# KiCad board LightBlue.kicad_pcb
title: Light Blue PCB; date: 2021-04-22; rev: 0.2; company: Nabu Casa; note: www.nabucasa.com; note: Light Blue
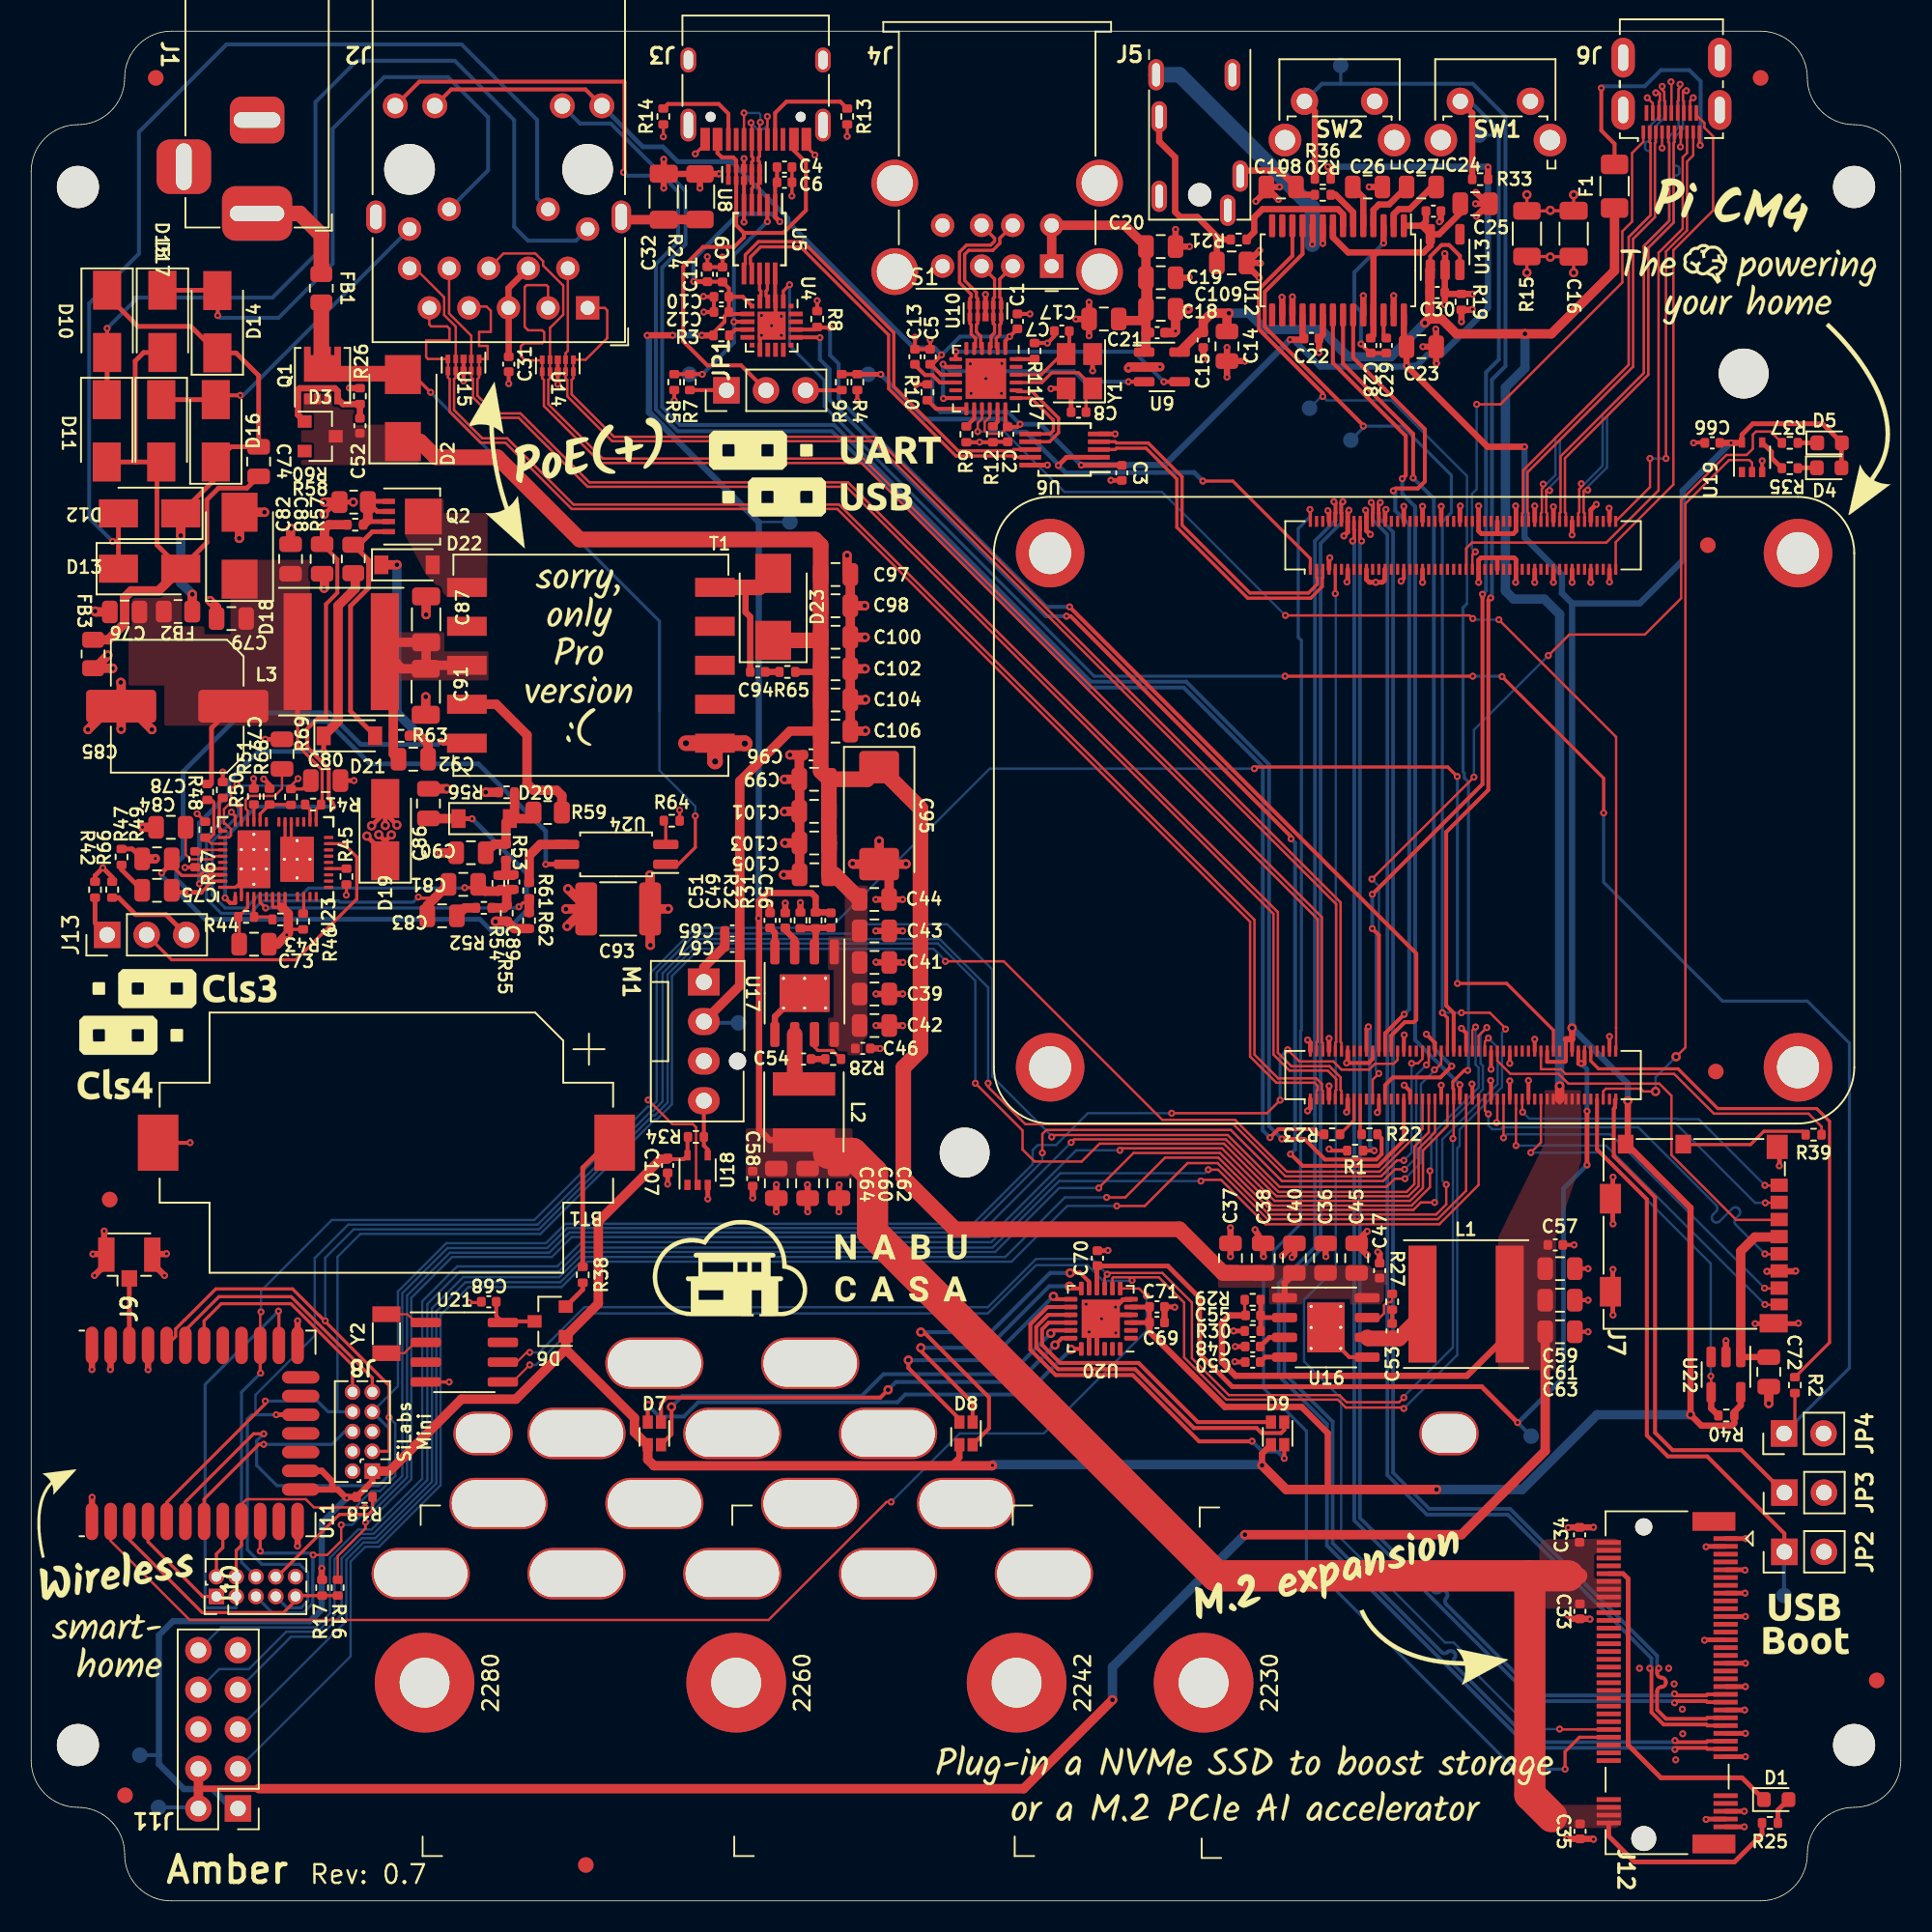
[diagram p0: board, top side]
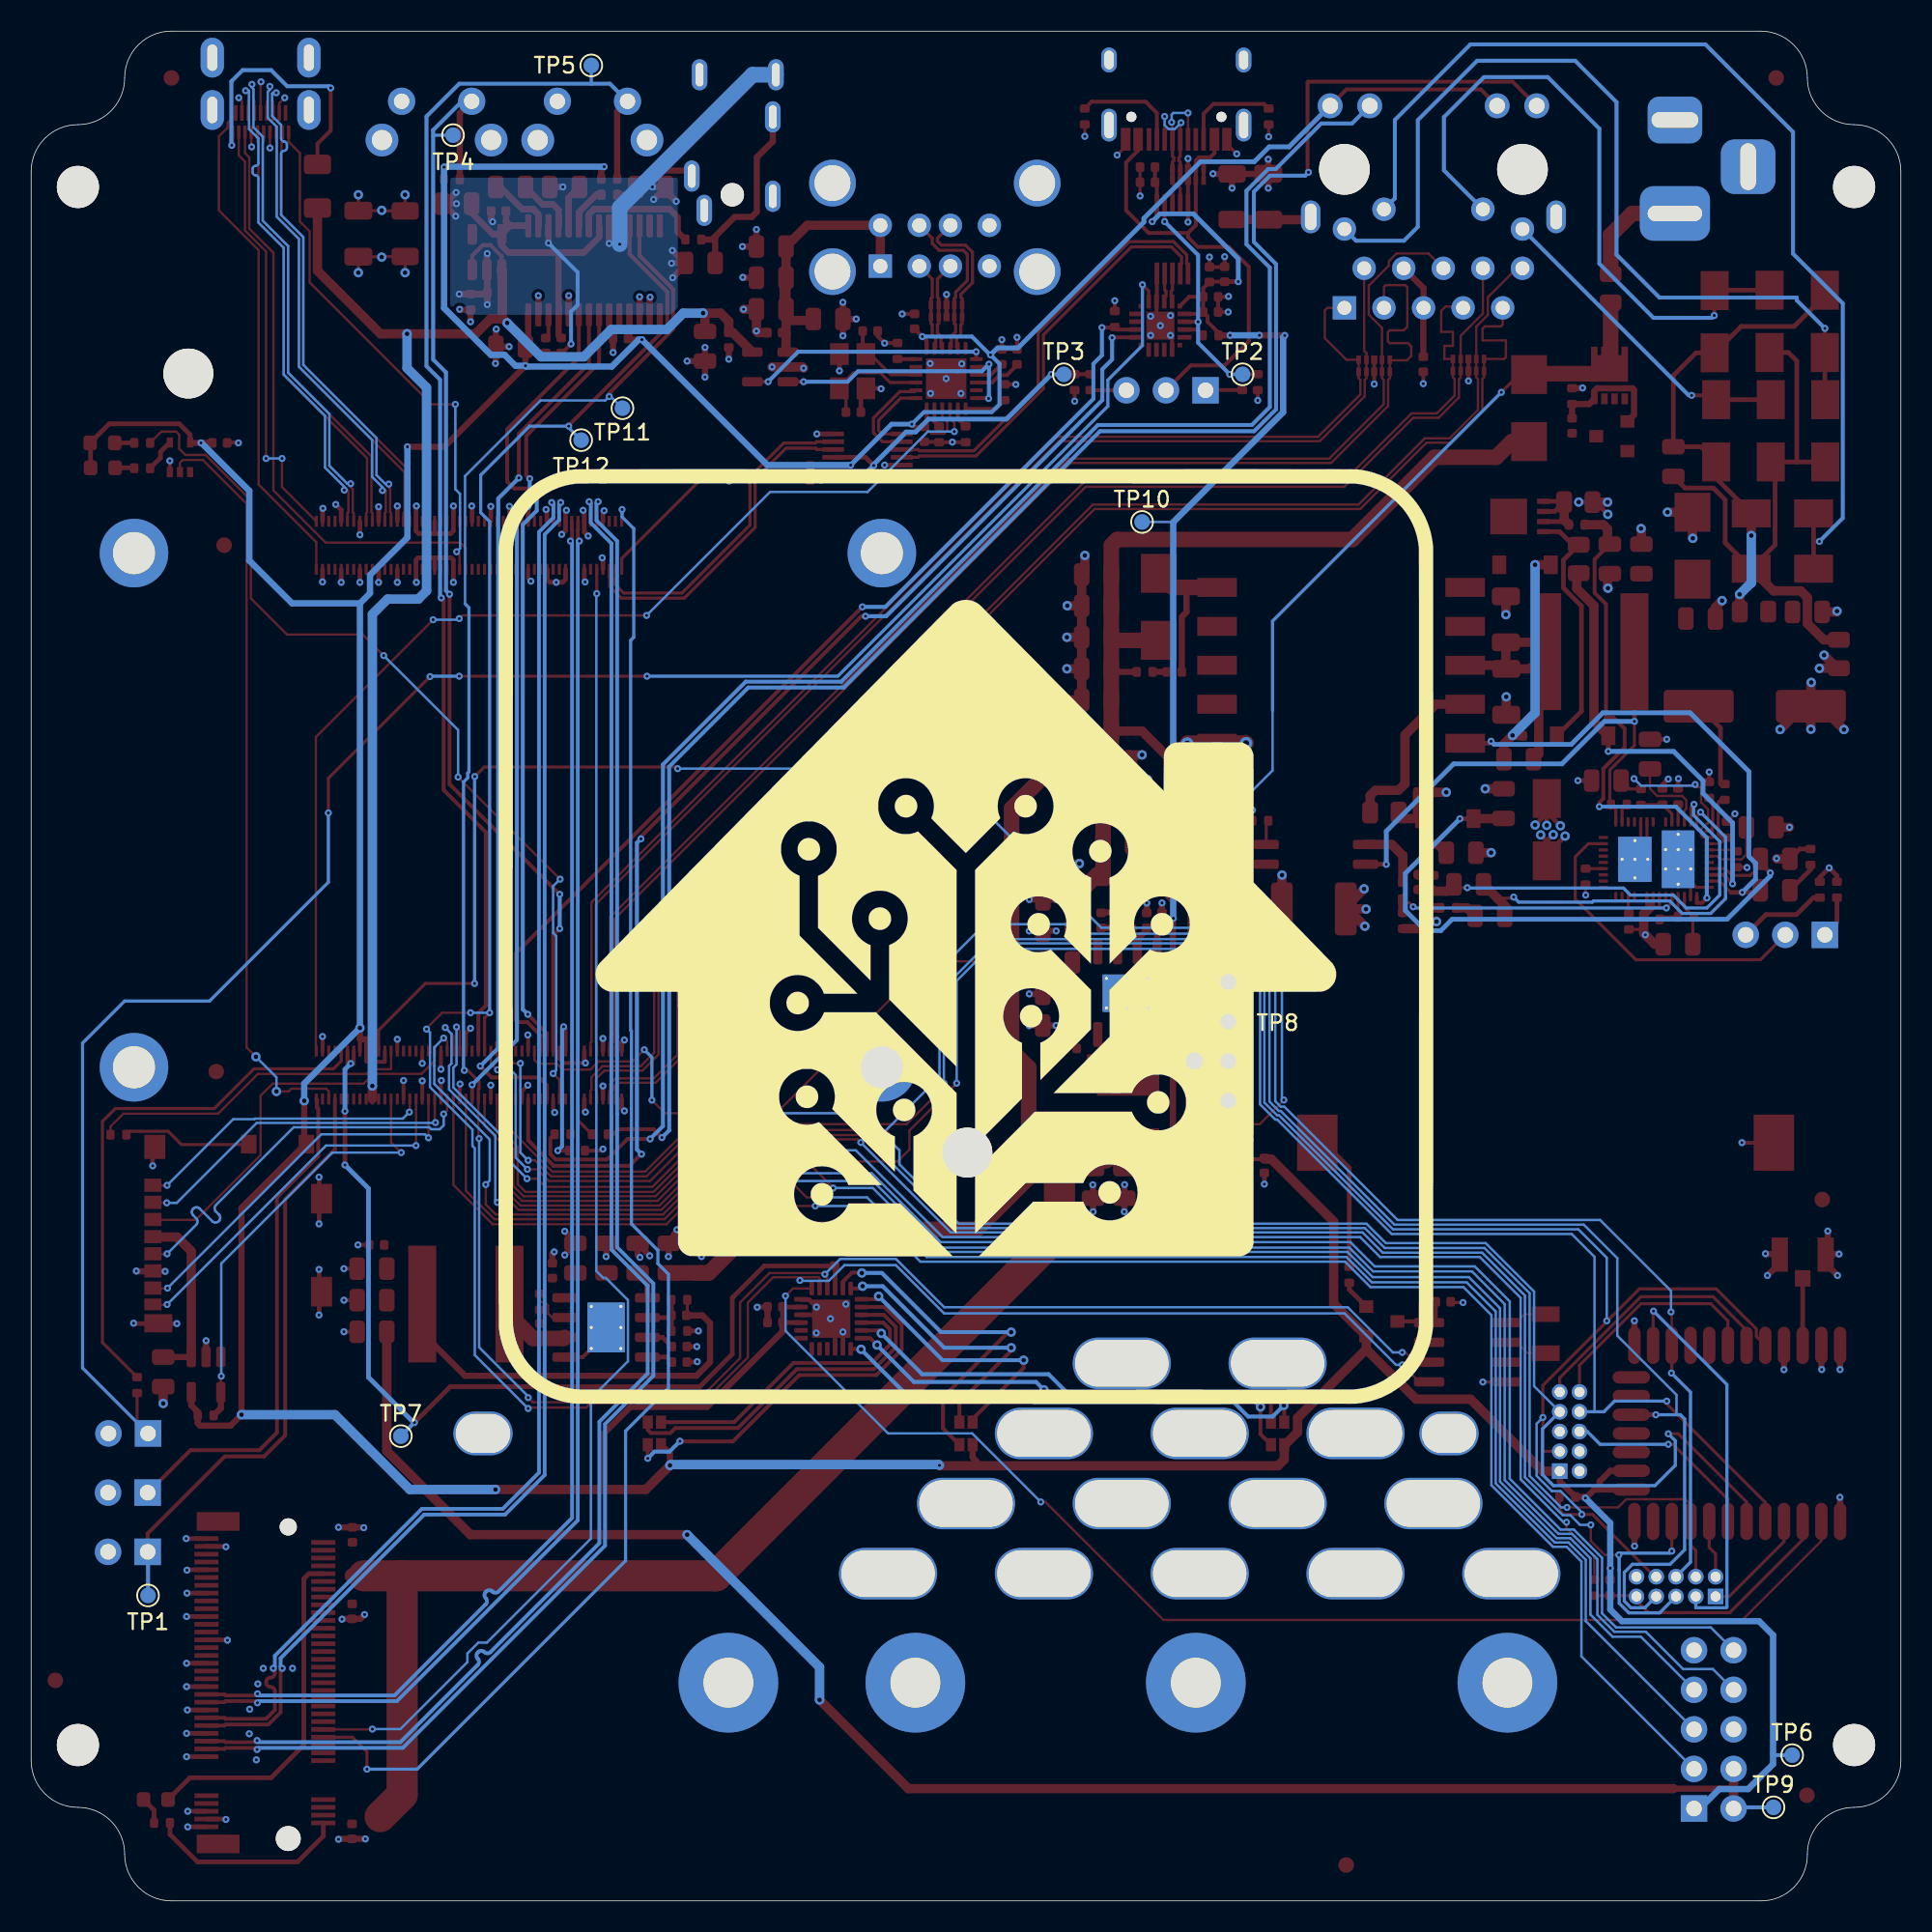
[diagram p1: board, bottom side, seen from below]

Outline 120 x 120 mm; copper layers: Top, In1.Cu, In2.Cu, Bottom. Coordinates in mm from the lower left corner of the outline.
Outline path: 0,111 arc(0.88,113.12) 3,114 arc(5.12,114.88) 6,117 arc(6.88,119.12) 9,120 111,120 arc(113.12,119.12) 114,117 arc(114.88,114.88) 117,114 arc(119.12,113.12) 120,111 120,9 arc(119.12,6.88) 117,6 arc(114.88,5.12) 114,3 arc(113.12,0.88) 111,0 9,0 arc(6.87,0.87) 6,3 arc(5.12,5.12) 3,6 arc(0.88,6.88) 0,9 0,111
Stack: Top 0.035mm / dielectric 0.1mm 2313 er 4.05 / In1.Cu 0.0175mm / dielectric 1.265mm 2116 er 4.25 / In2.Cu 0.0175mm / dielectric 0.1mm 2313 er 4 / Bottom 0.035mm

## Placement (name value [footprint] x y rotation side)
BT1  Battery_Cell  [BatteryHolder_Keystone_1060_1x2032]  22.8 48.66 180 top
C1  100n  [C_0402_1005Metric]  63.3 101.38 90 top
C2  100n  [C_0402_1005Metric]  62.67 94.12 270 top
C3  100n  [C_0402_1005Metric]  70 91.65 270 top
C4  100n  [C_0402_1005Metric]  48.35 111.28 0 top
C5  1u  [C_0402_1005Metric]  57.7 99.1 90 top
C6  1u  [C_0402_1005Metric]  48.35 110.3 0 top
C7  18p  [C_0402_1005Metric]  66.15 100.75 180 top
C8  18p  [C_0402_1005Metric]  67.22 95.55 180 top
C9  4u7  [C_0402_1005Metric]  44.38 104.38 90 top
C10  4u7  [C_0402_1005Metric]  44.3 102.95 180 top
C11  100n  [C_0402_1005Metric]  43.4 104.4 90 top
C12  100n  [C_0402_1005Metric]  44.3 101.97 180 top
C13  1u  [C_0402_1005Metric]  56.72 99.1 90 top
C14  10u  [C_0805_2012Metric]  76.75 99.78 90 top
C15  100n  [C_0402_1005Metric]  75.22 100.17 90 top
C16  100n/1kV  [C_1206_3216Metric]  99 107 270 top
C17  47u  [C_0805_2012Metric]  68.85 101.53 180 top
C18  47u  [C_0805_2012Metric]  72.5 102.15 0 top
C19  10u  [C_0805_2012Metric]  72.5 104.17 0 top
C20  10u  [C_0805_2012Metric]  72.5 106.17 0 top
C21  100n  [C_0402_1005Metric]  72.28 100.65 0 top
C22  100n  [C_0402_1005Metric]  82.17 100.28 0 top
C23  10u  [C_0805_2012Metric]  89.22 99.75 0 top
C24  100n  [C_0402_1005Metric]  90 108.45 0 top
C25  10u  [C_0805_2012Metric]  92.67 108.92 0 top
C26  2u2/25V  [C_0805_2012Metric]  85.78 110 0 top
C27  2u2/25V  [C_0805_2012Metric]  89.22 110 180 top
C28  100n  [C_0402_1005Metric]  85.97 99.83 270 top
C29  100n  [C_0402_1005Metric]  86.97 99.83 90 top
C30  100n  [C_0402_1005Metric]  90.25 103.22 0 top
C31  100n  [C_0402_1005Metric]  30.65 98.62 90 top
C32  100n/1kV  [C_1206_3216Metric]  40.6 109.38 90 top
C33  100n  [C_0402_1005Metric]  99.4 18.58 270 top
C34  100n  [C_0402_1005Metric]  99.38 23.49 90 top
C35  100n  [C_0402_1005Metric]  99.41 4.46 270 top
C36  22u/25V  [C_0805_2012Metric]  83.08 41.25 90 top
C37  22u/25V  [C_0805_2012Metric]  76.97 41.25 90 top
C38  22u/25V  [C_0805_2012Metric]  79.08 41.25 90 top
C39  22u/25V  [C_0805_2012Metric]  54.12 58.2 0 top
C40  22u/25V  [C_0805_2012Metric]  81.08 41.25 90 top
C41  22u/25V  [C_0805_2012Metric]  54.12 60.23 0 top
C42  22u/25V  [C_0805_2012Metric]  54.12 56.18 0 top
C43  22u/25V  [C_0805_2012Metric]  54.12 62.25 0 top
C44  10u/25V  [C_0805_2012Metric]  54.11 64.27 0 top
C45  10u/25V  [C_0805_2012Metric]  85.08 41.25 90 top
C46  100n/25V  [C_0402_1005Metric]  53.38 54.71 0 top
C47  100n/25V  [C_0402_1005Metric]  86.55 40.45 90 top
C48  1u/25V  [C_0402_1005Metric]  78.4 35.58 180 top
C49  1u/25V  [C_0402_1005Metric]  48.4 62.93 90 top
C50  3n3  [C_0402_1005Metric]  78.4 34.58 180 top
C51  3n3  [C_0402_1005Metric]  47.42 62.93 90 top
C52  100n/25V  [C_0402_1005Metric]  21.1 94.67 90 top
C53  100n  [C_0402_1005Metric]  87.35 36.58 90 top
C54  100n  [C_0402_1005Metric]  49.58 54.03 0 top
C55  10p  [C_0402_1005Metric]  78.42 37.58 0 top
C56  10p  [C_0402_1005Metric]  51.33 62.93 270 top
C57  100n  [C_0402_1005Metric]  97.83 42.1 0 top
C58  100n  [C_0402_1005Metric]  46.31 46.36 270 top
C59  10u  [C_0805_2012Metric]  98.12 40.58 0 top
C60  10u  [C_0805_2012Metric]  49.83 46.05 270 top
C61  47u  [C_0805_2012Metric]  98.12 38.55 0 top
C62  47u  [C_0805_2012Metric]  51.84 46.05 270 top
C63  47u  [C_0805_2012Metric]  98.12 36.53 0 top
C64  47u  [C_0805_2012Metric]  47.83 46.05 270 top
C65  1u/25V  [C_0402_1005Metric]  45 62.25 180 top
C66  100n  [C_0402_1005Metric]  107.9 93.58 180 top
C67  100n/25v  [C_0402_1005Metric]  45 61.26 180 top
C68  100n  [C_0402_1005Metric]  29.37 38.45 180 top
C69  1u  [C_0402_1005Metric]  72.26 37.12 0 top
C70  100n  [C_0402_1005Metric]  68.44 41.25 90 top
C71  100n  [C_0402_1005Metric]  72.26 38.12 0 top
C72  10u  [C_0805_2012Metric]  111.53 33.95 270 top
C73  2n2/100V  [C_0805_2012Metric]  14.3 61.4 0 top
C74  1n/100V  [C_0805_2012Metric]  14.6 92.38 270 top
C75  1n/100V  [C_0805_2012Metric]  8.08 64.86 180 top
C76  1n/100V  [C_0805_2012Metric]  6 82.72 180 top
C77  47n/100V  [C_0805_2012Metric]  16.1 73.6 270 top
C78  100n/100V  [C_0805_2012Metric]  8.97 68.9 180 top
C79  100n/100V  [C_0805_2012Metric]  12.85 82.3 180 top
C80  100n/100V  [C_0805_2012Metric]  18.9 71.9 0 top
C81  220p/100V  [C_0805_2012Metric]  27.73 65.24 180 top
C82  100n/100V  [C_0805_2012Metric]  16.65 86.12 90 top
C83  15n/100V  [C_0805_2012Metric]  26.38 63.22 180 top
C84  100n/100V  [C_0805_2012Metric]  8.08 66.88 180 top
C85  47u/63V  [C_Elec_8x10.2]  9.38 76.67 180 top
C86  2u2/25V  [C_0805_2012Metric]  25.5 70.42 90 top
C87  2u2/100V  [C_1206_3216Metric]  25.35 82.25 90 top
C88  100p/100V  [C_0805_2012Metric]  18.67 86.12 270 top
C89  1n/25V  [C_0402_1005Metric]  30.98 65.39 270 top
C90  2u2/25V  [C_0805_2012Metric]  28.23 67.27 180 top
C91  2u2/100V  [C_1206_3216Metric]  25.33 77.6 270 top
C92  100n/100V  [C_0805_2012Metric]  24.52 73.28 180 top
C93  2n2/2kV  [C_1812_4532Metric]  37.67 63.67 0 top
C94  2n2/25V  [C_0402_1005Metric]  46.64 78.88 0 top
C95  220u/25V  [CP_EIA-7343-31_Kemet-D]  54.42 69.65 270 top
C96  1u/25V  [C_0402_1005Metric]  50.05 73.55 180 top
C97  22u/25V  [C_0805_2012Metric]  51.62 85.12 0 top
C98  22u/25V  [C_0805_2012Metric]  51.62 83.12 0 top
C99  22u/25V  [C_0805_2012Metric]  50.25 71.98 180 top
C100  22u/25V  [C_0805_2012Metric]  51.62 81.1 0 top
C101  22u/25V  [C_0805_2012Metric]  50.25 69.92 180 top
C102  22u/25V  [C_0805_2012Metric]  51.62 79.08 0 top
C103  22u/25V  [C_0805_2012Metric]  50.26 67.89 180 top
C104  22u/25V  [C_0805_2012Metric]  51.62 77.08 0 top
C105  22u/25V  [C_0805_2012Metric]  50.27 65.86 180 top
C106  22u/25V  [C_0805_2012Metric]  51.62 75.08 0 top
C107  100n  [C_0402_1005Metric]  40.85 47.2 270 top
C108  2n2/25V  [C_0805_2012Metric]  80.22 110 0 top
C109  2n2/25V  [C_0805_2012Metric]  77.05 105.12 0 top
D1  LED_Small  [LED_0603_1608Metric]  112 6.5 0 top
D2  B340LB-13-F  [D_SMB]  23.86 95.81 90 top
D3  MMBZ5242BLT3G  [D_SOT-23_ANK]  18.55 94 0 top
D4  LED Red  [LED_0603_1608Metric]  115.4 91.97 0 top
D5  LED Green  [LED_0603_1608Metric]  115.43 93.58 0 top
D6  BAT54C-7-F  [SOT-23]  33.31 37.19 180 top
D7  LTST-C19HE1WT  [LED_LiteOn_LTST-C19HE1WT]  40 30 0 top
D8  LTST-C19HE1WT  [LED_LiteOn_LTST-C19HE1WT]  60 30 0 top
D9  LTST-C19HE1WT  [LED_LiteOn_LTST-C19HE1WT]  80 30 0 top
D10  B1100-13-F  [D_SMA]  4.88 101.38 270 top
D11  B1100-13-F  [D_SMA]  4.85 94.35 270 top
D12  B1100-13-F  [D_SMA]  7.6 89.05 180 top
D13  B1100-13-F  [D_SMA]  7.6 85.5 0 top
D14  B1100-13-F  [D_SMA]  11.95 101.35 90 top
D15  B1100-13-F  [D_SMA]  8.42 101.38 270 top
D16  B1100-13-F  [D_SMA]  11.85 94.35 90 top
D17  B1100-13-F  [D_SMA]  8.35 94.35 270 top
D18  SMBJ58A-13-F  [D_SMB]  13.38 86.97 90 top
D19  B1100-13-F  [D_SMA]  22.73 68.75 90 top
D20  BAT41ZFILM  [D_SOD-123]  29.08 69.46 0 top
D21  BAT41ZFILM  [D_SOD-123]  20.42 74.78 0 top
D22  BAT41ZFILM  [D_SOD-123]  24.12 85.75 0 top
D23  B340LB-13-F  [D_SMB]  47.62 83.05 90 top
F1  Polyfuse_Small  [Fuse_1206_3216Metric]  101.62 110.05 90 top
FB1  300R/3A  [R_0805_2012Metric]  18.62 103.5 270 top
FB2  300R/2A  [R_0805_2012Metric]  9.42 82.75 180 top
FB3  300R/2A  [R_0805_2012Metric]  3.98 80.03 270 top
FID1  Fiducial  [Fiducial_1mm_Mask2mm]  8 117 90 top
FID2  Fiducial  [Fiducial_1mm_Mask2mm]  111 117 0 top
FID3  Fiducial  [Fiducial_1mm_Mask2mm]  5.04 45.01 0 top
FID4  Fiducial  [Fiducial_1mm_Mask2mm]  35.6 2.3 0 top
FID5  Fiducial  [Fiducial_1mm_Mask2mm]  118.45 14.15 0 top
FID6  Fiducial  [Fiducial_1mm_Mask2mm]  108.12 53.23 0 top
FID7  Fiducial  [Fiducial_1mm_Mask2mm]  107.62 87.01 0 top
FID8  Fiducial  [Fiducial_1mm_Mask2mm]  6.02 6.78 0 top
H1  MountingHole  [MountingHole_2.7mm_M2.5]  3 110 0 top
H2  MountingHole  [MountingHole_2.7mm_M2.5]  117 110 0 top
H3  MountingHole  [MountingHole_2.7mm_M2.5]  117 10 0 top
H4  MountingHole  [MountingHole_2.7mm_M2.5]  3 10 0 top
H5  MountingHole  [DrillSlot_Plated_3.5x2.5mm]  29 30 0 top
H6  MountingHole  [DrillSlot_Plated_3.5x2.5mm]  91 30 0 top
HS1  Heatsink  [Heatsink_56x56mm_2xFixation3.2mm]  84.91 73.03 0 top
J1  Barrel_Jack  [BarrelJack_CUI_PJ-002A]  14.5 108.3 270 top
J2  -  [RJ45_LINK-PP_LPJG0926HENL_Horizontal]  35.72 102.24 180 top
J3  USB_C_Receptacle_USB2.0  [USB_C_Receptacle_HRO_TYPE-C-31-M-12]  46.5 117.1 180 top
J4  USB_A_Stacked  [USB_A_Wuerth_61400826021_Horizontal_Stacked]  65.5 104.92 180 top
J5  AudioJack  [Jack_3.5mm_HRO_PJ-3973-6A_Horizontal]  75 120 0 top
J6  HDMI_D_2.0  [HDMI_Micro-D_Molex_46765-1x01]  105.28 118.3 180 top
J7  Micro_SD_Card_Det  [microSD_HC_Molex_104031-0811]  106.74 42.83 270 top
J8  SiLabs Mini Debug  [PinHeader_2x05_P1.27mm_Vertical]  21.9 27.58 180 top
J9  Conn_Coaxial  [U.FL_Hirose_U.FL-R-SMT-1_Vertical]  6.3 41 90 top
J10  Conn_02x04_Odd_Even  [PinHeader_2x05_P1.27mm_Vertical]  11.89 19.53 90 top
J11  Conn_02x05_Odd_Even  [PinHeader_2x05_P2.54mm_Vertical]  13.27 5.93 180 top
J12  Bus_M.2_Socket_M  [TE_1-2199230-3_Bus_M.2_M_H4.2mm_P0.5mm_2280_Horizontal]  105 14 270 top
J13  Conn_01x03_Male  [PinHeader_1x03_P2.54mm_Vertical]  4.88 62 90 top
JP1  JP_USB_DEVICE_SEL  [PinHeader_1x03_P2.54mm_Vertical]  44.62 96.95 90 top
JP2  Conn_01x02  [PinHeader_1x02_P2.54mm_Vertical]  112.53 22.4 90 top
JP3  Conn_01x02  [PinHeader_1x02_P2.54mm_Vertical]  112.53 26.2 90 top
JP4  Conn_01x02  [PinHeader_1x02_P2.54mm_Vertical]  112.5 30 90 top
L1  3u3  [L_Taiyo-Yuden_NR-80xx]  92.1 38.3 0 top
L2  2u2  [L_Taiyo-Yuden_NR-50xx]  49.6 50.63 270 top
L3  3u3  [L_Taiyo-Yuden_NR-80xx]  19.9 80.17 0 top
M1  Fan_4pin  [FanPinHeader_1x04_P2.54mm_Vertical]  43.17 58.97 270 top
Q1  DMP3013SFV-7  [Diodes_PowerDI3333-8]  18.7 97.9 90 top
Q2  BSZ440N10NS3GATMA1  [PG-TSDSON-8]  24.45 88.85 0 top
R1  10k  [R_0402_1005Metric]  84.97 48.15 0 top
R2  220R  [R_0402_1005Metric]  113.2 33.1 270 top
R3  1k  [R_0402_1005Metric]  44.3 100.47 0 top
R4  2k2/1%  [R_0402_1005Metric]  53.03 97.47 270 top
R5  3k6  [R_0402_1005Metric]  41.28 97.47 270 top
R6  2k2/1%  [R_0402_1005Metric]  52.03 97.47 90 top
R7  2k2/1%  [R_0402_1005Metric]  42.28 97.47 90 top
R8  10k  [R_0402_1005Metric]  50.45 101.53 270 top
R9  10k  [R_0402_1005Metric]  60.03 94.12 90 top
R10  10k  [R_0402_1005Metric]  57.53 96.83 270 top
R11  12k/1%  [R_0402_1005Metric]  64.4 99.47 270 top
R12  10k  [R_0402_1005Metric]  61.72 94.12 90 top
R13  5k1  [R_0402_1005Metric]  52.38 114.53 90 top
R14  5k1  [R_0402_1005Metric]  40.58 114.53 90 top
R15  0R  [R_1206_3216Metric]  96 107 90 top
R16  1k  [R_0402_1005Metric]  19.67 20.1 270 top
R17  10k  [R_0402_1005Metric]  18.67 20.1 90 top
R18  10k  [R_0402_1005Metric]  21.4 25.92 180 top
R19  0R  [R_0402_1005Metric]  91.8 102.62 270 top
R20  470R  [R_0402_1005Metric]  82.9 109.5 180 top
R21  470R  [R_0402_1005Metric]  77.5 106.62 180 top
R22  470R  [R_0402_1005Metric]  85.9 49.2 0 top
R23  470R  [R_0402_1005Metric]  83.5 49.2 180 top
R24  0R  [R_1206_3216Metric]  42.92 109.38 270 top
R25  1k  [R_0402_1005Metric]  111.6 5 0 top
R26  12k/1%  [R_0402_1005Metric]  21.1 96.58 90 top
R27  0R  [R_0402_1005Metric]  87.35 38.45 270 top
R28  0R  [R_0402_1005Metric]  51.47 54.03 180 top
R29  124k/1%  [R_0402_1005Metric]  78.4 38.58 180 top
R30  22k/1%  [R_0402_1005Metric]  78.4 36.58 0 top
R31  75k/1%  [R_0402_1005Metric]  50.35 62.93 90 top
R32  22k/1%  [R_0402_1005Metric]  49.38 62.93 270 top
R33  10k  [R_0402_1005Metric]  93 110.5 0 top
R34  10k  [R_0402_1005Metric]  42.67 49.03 180 top
R35  1k  [R_0402_1005Metric]  112.88 91.95 180 top
R36  10k  [R_0402_1005Metric]  82.9 110.53 0 top
R37  1k  [R_0402_1005Metric]  112.88 93.58 180 top
R38  100R  [R_0402_1005Metric]  35.4 40.18 90 top
R39  10k  [R_0402_1005Metric]  114.4 49.17 0 top
R40  10k  [R_0402_1005Metric]  108.8 31.15 180 top
R41  25k5/1%  [R_0402_1005Metric]  18.09 70.36 180 top
R42  31R6/1%  [R_0402_1005Metric]  4.1 64.9 270 top
R43  60k4/1%  [R_0402_1005Metric]  15.99 62.99 180 top
R44  237k/1%  [R_0402_1005Metric]  13.8 63.15 0 top
R45  49k9/1%  [R_0402_1005Metric]  20.23 65.74 90 top
R46  0R  [R_0402_1005Metric]  17.45 62.86 90 top
R47  51R  [R_0402_1005Metric]  5.8 67 90 top
R48  110k  [R_0402_1005Metric]  11.3 71.17 270 top
R49  10k  [R_0402_1005Metric]  11.17 68.75 90 top
R50  0R  [R_0402_1005Metric]  12.3 71.3 90 top
R51  499k  [R_0402_1005Metric]  14.3 70.88 90 top
R52  39k  [R_0402_1005Metric]  29.05 63.73 180 top
R53  49R9/1%  [R_0402_1005Metric]  30.48 67.31 270 top
R54  24k9/1%  [R_0402_1005Metric]  29.98 65.31 270 top
R55  4k22/1%  [R_0402_1005Metric]  30.52 63.39 270 top
R56  3k3  [R_0402_1005Metric]  30.52 71.15 180 top
R57  4R7  [R_0805_2012Metric]  20.67 86.12 90 top
R58  1k5  [R_0402_1005Metric]  20.8 88.33 0 top
R59  3R9/1%  [R_0805_2012Metric]  33.15 69.85 0 top
R60  0R1  [R_0805_2012Metric]  20.7 89.78 180 top
R61  22k  [R_0402_1005Metric]  31.97 64.84 270 top
R62  22k  [R_0402_1005Metric]  31.95 62.91 270 top
R63  10k  [R_0402_1005Metric]  23.75 74.78 0 top
R64  22k  [R_0402_1005Metric]  41.11 69.33 0 top
R65  5R1  [R_0402_1005Metric]  48.53 78.88 0 top
R66  46R4/1%  [R_0402_1005Metric]  5.2 64.9 270 top
R67  0R  [R_0402_1005Metric]  10.52 66.85 270 top
R68  0R  [R_0402_1005Metric]  15.3 70.88 90 top
R69  0R  [R_0402_1005Metric]  16.67 70.85 90 top
REF**  -  [DrillSlot_Plated_5x3mm]  25 21 0 top
Ref**  Val**  [SilkScreen_UART-USB-Mux]  51 91.6 0 top
Ref**#2  Val**  [Logo_HomeAssitant_Inverted]  60 61.9 0 top
REF**#2  -  [DrillSlot_Plated_5x3mm]  35 30 0 top
Ref**#3  Val**  [Logo_NabuCasa]  50 40.6 0 top
REF**#3  -  [DrillSlot_Plated_5x3mm]  45 21 0 top
Ref**#4  Val**  [SilkScreen_USB-Boot]  113.9 17.8 0 top
REF**#4  -  [DrillSlot_Plated_5x3mm]  50 25.5 0 top
Ref**#5  Val**  [SilkScreen_PoE-Text]  34.5 85.8 0 top
REF**#5  DrillSlot_Plated_5x3mm  [DrillSlot_Plated_5x3mm#2]  55 30.2 0 top
Ref**#6  Val**  [SilkScreen_Radio-Text]  5.4 20.7 0 top
REF**#6  -  [DrillSlot_Plated_5x3mm]  40 34.5 0 top
REF**#7  -  [DrillSlot_Plated_5x3mm]  55 21 0 top
Ref**#7  Val**  [SilkScreen_CM4-Text]  110.7 99.8 0 top
REF**#8  -  [DrillSlot_Plated_5x3mm]  30 25.5 0 top
Ref**#8  Val**  [SilkScreen_Class-Selection]  6.2 55.6 0 top
REF**#9  -  [DrillSlot_Plated_5x3mm]  35 21 0 top
Ref**#9  Val**  [SilkScreen_M.2-Text]  78.08 14.46 0 top
REF**#10  DrillSlot_Plated_5x3mm  [DrillSlot_Plated_5x3mm#3]  60 25 0 top
REF**#11  -  [DrillSlot_Plated_5x3mm]  40 25.5 0 top
REF**#12  -  [DrillSlot_Plated_5x3mm]  50 34.5 0 top
REF**#13  -  [DrillSlot_Plated_5x3mm]  65 21 0 top
REF**#14  -  [DrillSlot_Plated_5x3mm]  45 30 0 top
SW1  SW_USER  [SW_Tactile_SPST_Angled_PTS645Vx83-2LFS]  91.72 115.5 0 top
SW2  SW_WIPE  [SW_Tactile_SPST_Angled_PTS645Vx58-2LFS]  81.72 115.5 0 top
T1  PA2467NL  [Transformer_Pulse_PA2467NL]  35.92 79.3 0 top
TP1  TestPoint  [TestPoint_Pad_D1.0mm]  112.5 19.6 180 bottom
TP2  TestPoint  [TestPoint_Pad_D1.0mm]  42.25 97.97 180 bottom
TP3  TestPoint  [TestPoint_Pad_D1.0mm]  53.72 97.97 180 bottom
TP4  TestPoint  [TestPoint_Pad_D1.0mm]  92.92 113.33 180 bottom
TP5  TestPoint  [TestPoint_Pad_D1.0mm]  84.05 117.8 180 bottom
TP6  TestPoint  [TestPoint_Pad_D1.0mm]  6.98 9.35 180 bottom
TP7  TestPoint  [TestPoint_Pad_D1.0mm]  96.28 29.83 180 bottom
TP8  TestPoint  [TestPoint_Pad_D1.0mm]  45.4 56.35 180 bottom
TP9  TestPoint  [TestPoint_Pad_D1.0mm]  8.17 6 180 bottom
TP10  TestPoint  [TestPoint_Pad_D1.0mm]  48.7 88.5 180 bottom
TP11  TestPoint  [TestPoint_Pad_D1.0mm]  82.05 95.8 180 bottom
TP12  TestPoint  [TestPoint_Pad_D1.0mm]  84.7 93.75 180 bottom
U1  RaspberryPi-CM4Lite  [RaspberryPi-CM4]  89.4 70 90 top
U2  DF40C-100DS-0.4V  [Hirose_DF40_DF40C-100DS-0.4V_2x50_P0.40mm_Vertical_Virtual]  91.9 87 0 top
U3  DF40C-100DS-0.4V  [Hirose_DF40_DF40C-100DS-0.4V_2x50_P0.40mm_Vertical_Virtual]  91.9 53 0 top
U4  CP2102N-Axx-xQFN20  [SiliconLabs_QFN-20-1EP_3x3mm_P0.5mm_EP1.8x1.8mm]  47.53 101.1 270 top
U5  FSUSB42MUX  [MSOP-10_3x3mm_P0.5mm]  46.75 106.65 270 top
U6  FSUSB42MUX  [MSOP-10_3x3mm_P0.5mm]  66.33 93.15 180 top
U7  USB2422  [QFN-24-1EP_4x4mm_P0.5mm_EP2.6x2.6mm]  61.28 97.7 270 top
U8  TPD4EUSB30  [USON-10_2.5x1.0mm_P0.5mm]  45.75 110.8 270 top
U9  AP2191W  [SOT-23-5]  72.58 98.45 0 top
U10  TPD4EUSB30  [USON-10_2.5x1.0mm_P0.5mm]  61.25 102.04 90 top
U11  SiliconLabs-MGM210P  [SiliconLabs_MGM210P]  10.6 30 90 top
U12  PCM5121PW  [TSSOP-28_4.4x9.7mm_P0.65mm]  83.88 104.65 270 top
U13  TLV74033PDBVR  [SOT-23-5]  90.75 105.83 90 top
U14  TPD4EUSB30  [USON-10_2.5x1.0mm_P0.5mm]  33.8 98.53 270 top
U15  TPD4EUSB30  [USON-10_2.5x1.0mm_P0.5mm]  27.75 98.58 270 top
U16  BD9D321EFJ  [HTSOP-8-1EP_3.9x4.9mm_P1.27mm_EP2.4x3.2mm_ThermalVias]  83.1 36.8 0 top
U17  BD9D321EFJ  [HTSOP-8-1EP_3.9x4.9mm_P1.27mm_EP2.4x3.2mm_ThermalVias]  49.64 58.25 270 top
U18  74LVC1G07  [SOT-353_SC-70-5]  42.78 46.9 90 top
U19  74LVC1G07  [SOT-353_SC-70-5]  110.45 92.65 90 top
U20  LP5569RTWR  [WQFN-24-1EP_4x4mm_P0.5mm_EP2.45x2.45mm]  68.65 37.36 180 top
U21  PCF85063AT  [SOIC-8_3.9x4.9mm_P1.27mm]  27.8 35.21 0 top
U22  RT9742GGJ5  [SOT-23-5]  108.78 33.78 270 top
U23  TPS23734  [Texas_VQFN-47-2EP_5x7mm_P0.4mm_ThermalVias]  15.7 66.85 90 top
U24  TCMT1107  [SOP-4_4.4x2.6mm_P1.27mm]  37.55 67.17 180 top
Y1  24MHz  [Crystal_SMD_3225-4Pin_3.2x2.5mm]  67.28 98.17 90 top
Y2  X32K768S301  [Crystal_SMD_3215-2Pin_3.2x1.5mm]  22.8 36.4 90 top
